# KiCad board Master Timing Card.kicad_pcb (continued)
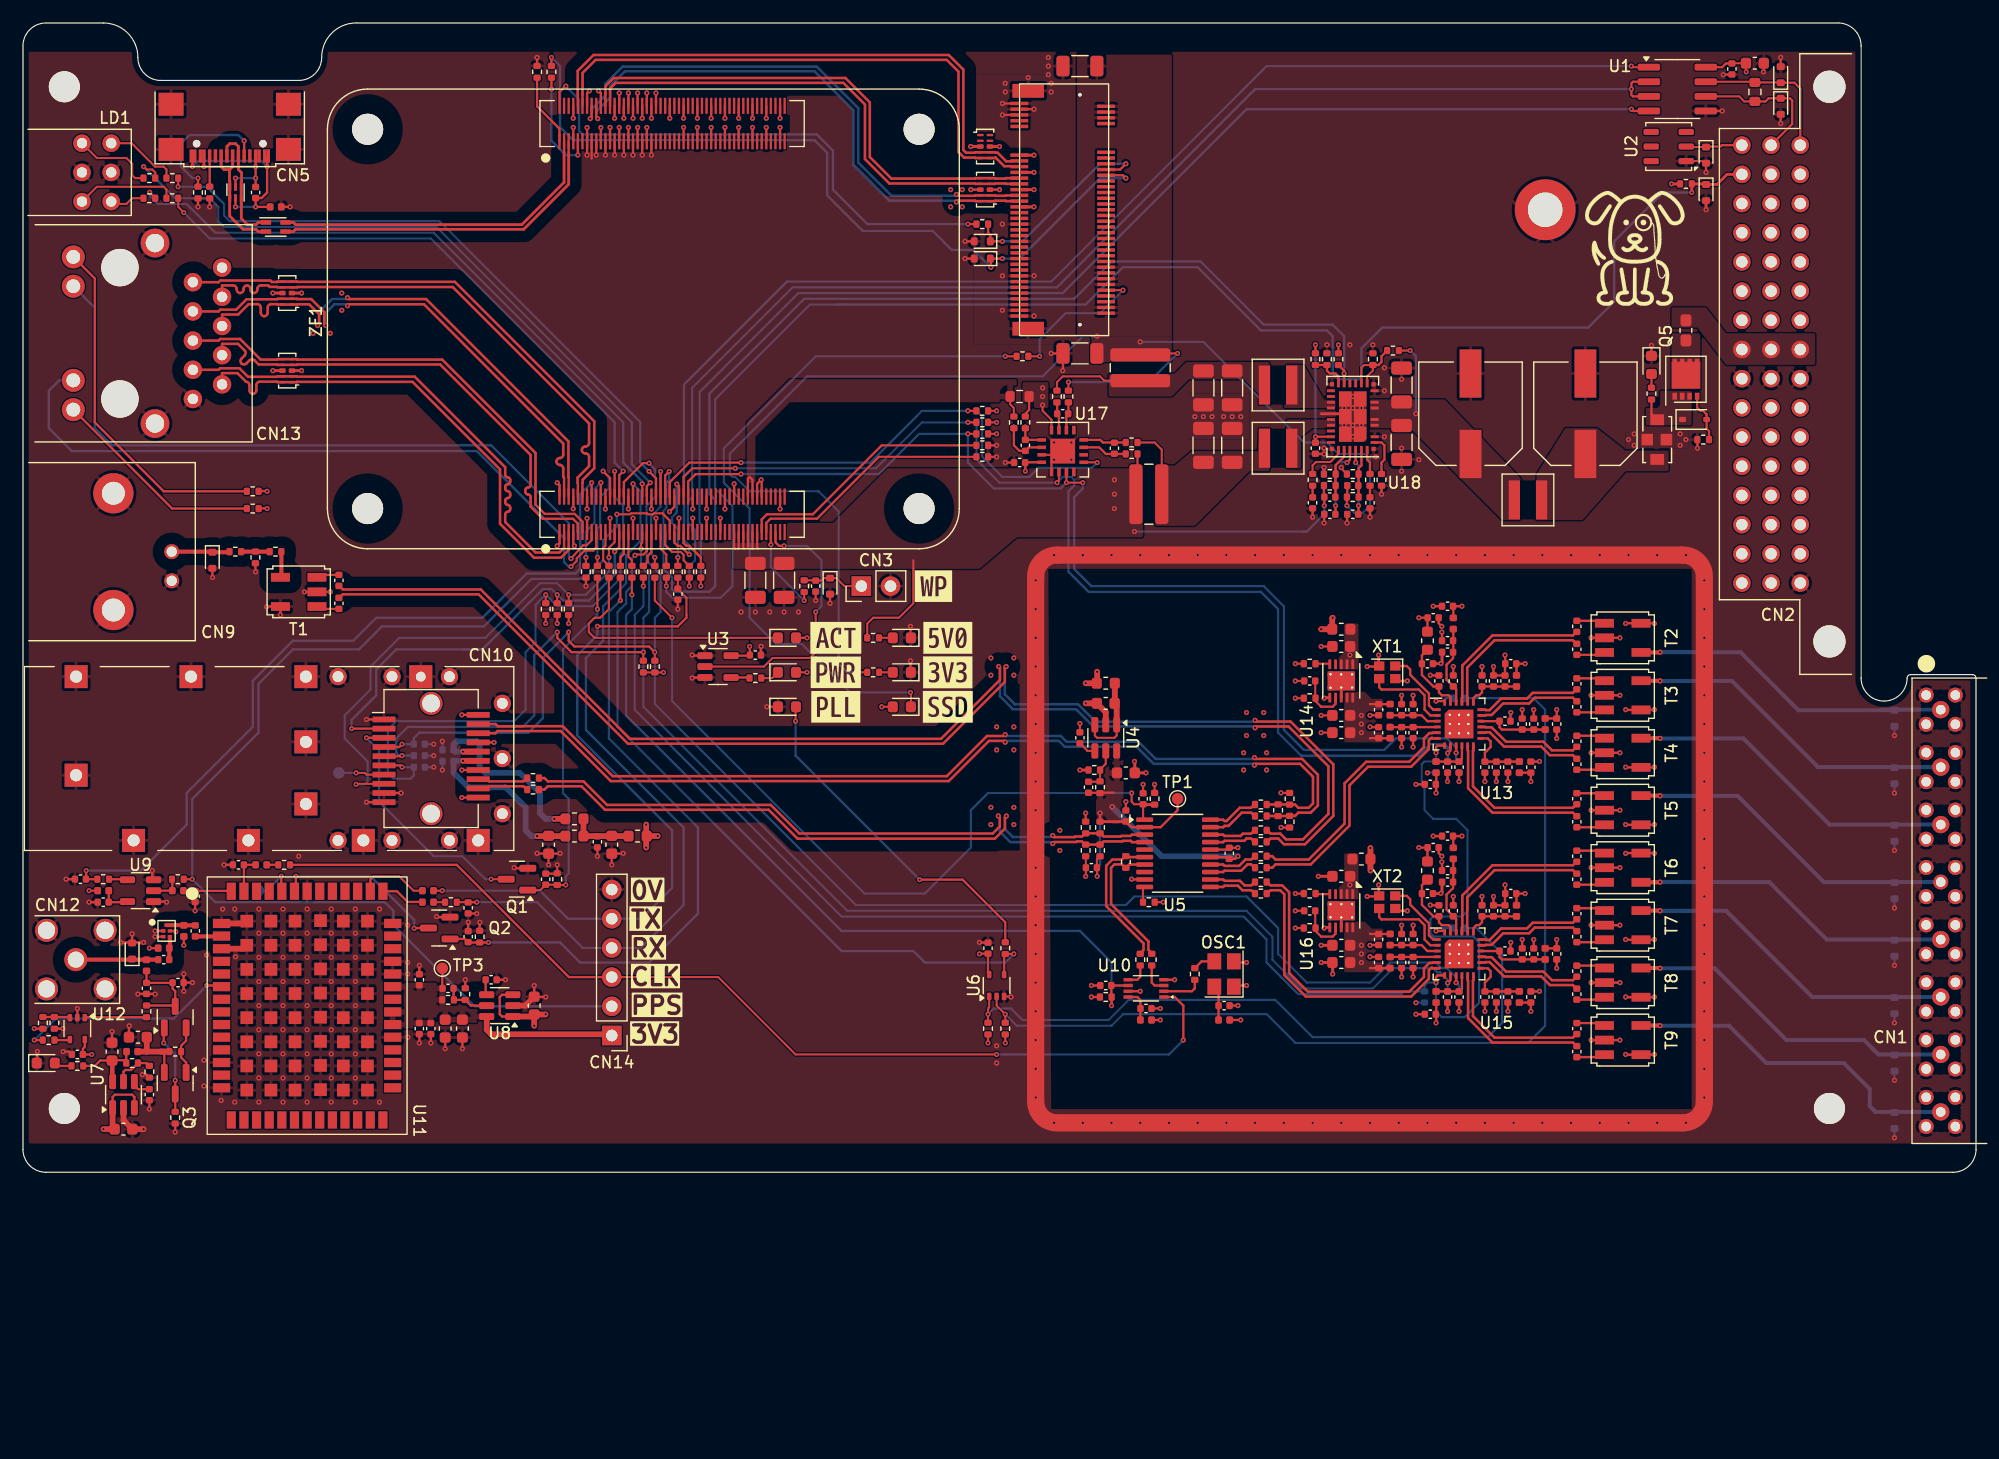
[diagram p0: board, top side]
## Routing (per net, layer and track width the routed paths; a pad name or vN(x,y) marks a point on that pad's centre or on a via; arc(x,y) is an arc through that point) (continued)
/Pi CM4 - HPIO/PCIE_PER0_P: length 49
  Top w0.2: CN6.116 49.5,92.79 49.5,91.8 v1(49.37,91.68)
  Top w0.22: v1(81.25,85.08) 81.36,84.96 82.87,84.96 82.91,85 D17.9 D17.2 84.59,85 84.63,84.96 85.52,84.96 85.56,85 CN7.43
  Bottom w0.22: v1(49.37,91.68) 49.49,91.79 49.49,92.49 50.69,93.69 50.69,94.69 52.21,96.21 69.09,96.21 72.71,92.59 72.71,87.84 75.59,84.96 81.14,84.96 v1(81.25,85.08)
/Pi CM4 - HPIO/PCIE_PET0_N: length 43.8
  Top w0.2: 51.1,93.84 51.1,92.79 CN6.124
  Top w0.22: 51.1,93.84 51.1,94.3 51.59,94.79 71.41,94.79 73.29,92.91 73.29,88.16 75.41,86.04 82.87,86.04 82.91,86 D17.7 D17.4 84.59,86 84.63,86.04 85.52,86.04 85.56,86 CN7.47
/Pi CM4 - HPIO/PCIE_PET0_P: length 44.5
  Top w0.2: 50.7,93.84 50.7,92.79 CN6.122
  Top w0.22: 50.7,93.84 50.7,94.5 51.41,95.21 71.59,95.21 73.71,93.09 73.71,88.34 75.59,86.46 82.87,86.46 82.91,86.5 D17.6 D17.5 84.59,86.5 84.63,86.46 85.52,86.46 85.56,86.5 CN7.49
/Pi CM4 - HPIO/PCIE_REFCLK_N: length 48.7
  Top w0.2: CN6.112 48.7,93.77 48.71,93.78
  Top w0.22: 48.71,93.78 48.71,95.66 49.84,96.79 80.41,96.79 81.43,95.78 81.43,88.78 81.91,88.29 82.87,88.29 82.91,88.25 D14.5 D14.6 84.59,88.25 84.63,88.29 84.66,88.29 85.41,87.54 86.06,87.54
/Pi CM4 - HPIO/PCIE_REFCLK_P: length 49.4
  Top w0.2: CN6.110 48.3,93.76 48.29,93.78
  Top w0.22: 48.29,93.78 48.29,95.83 49.66,97.21 80.59,97.21 81.85,95.95 81.85,88.95 82.09,88.71 82.87,88.71 82.91,88.75 D14.4 D14.7 84.59,88.75 84.63,88.71 84.84,88.71 85.59,87.96 86.06,87.96
/Pi CM4 - HPIO/USB_N: length 10.9
  Top w0.242: CN5.A7 17.75,89.25 18,89.5 18.5,89.5 18.75,89.25 CN5.B7 18.75,87.25 19.03,86.97 19.03,86.25 19,86.22 D13.4 D13.3 19,84.25 19.01,84.24 19.01,82.99 19.55,82.45 20.28,82.45 20.47,82.65 FL1.1
/Pi CM4 - HPIO/USB_P: length 10.8
  Top w0.242: 18,87.25 18.25,87.5 CN5.A6 ; 18,87.25 17.5,87.25 17.25,87.5 CN5.B6 ; 18,87.25 17.97,87.22 17.97,86.28 18,86.25 D13.6 D13.1 17.99,84.77 17.99,83.21 19.15,82.05 20.28,82.05 20.47,81.85 FL1.3
/Pi CM4 - HPIO/~{PCIE_CLK_REQ}: length 45.6
  Top w0.2: v1(47.25,94.5) 47.2,94.5 46.7,94 46.7,93.5 ; R35.1 v1(82.25,82.5)
  Bottom w0.2: v1(82.25,82.5) 73.5,82.5 70.5,85.5 70.5,88.9 69.1,90.3 48.7,90.3 48.41,90.59 48.41,93.34 v1(47.25,94.5)
/Pi CM4 - HPIO/~{PCIE_RST}: length 69
  Top w0.2: D15.1 v1(85.25,79.5) ; v1(84.25,78.75) 84.25,79.45 ; v1(96,86.5) 95.75,86.75 CN7.50 ; R34.2 v1(46,97)
  Bottom w0.2: v1(85.25,79.5) 86.75,79.5 93.75,86.5 v1(96,86.5) ; v1(84.25,78.75) 82.75,80.25 80.85,80.25 79.2,81.9 73.1,81.9 70,85 70,88.7 68.9,89.8 47.9,89.8 46.75,90.95 46.75,96.25 v1(46,97)
/PLL and SFP/CLK_SEL: length 68
  Top w0.18: R19.2 55,49.75 v1(56.5,48.25) ; v1(96.5,33) 96.5,32.25 96.73,32.02 C16.1 97.5,30.81 U5.1
  Top w0.25: R43.1 97.53,31.99
  Bottom w0.18: v1(56.5,48.25) 56.5,41 73.25,24.25 78.5,24.25 82.5,28.25 82.5,31.5 84,33 v1(96.5,33)
/PLL and SFP/CLKA_N: length 4.5
  Top w0.22: 107.19,31 106.9,31.29 106.09,31.29 104.94,30.14 104.58,30.14 104.47,30.03 U5.19
/PLL and SFP/CLKA_P: length 4.5
  Top w0.22: 107.19,32 106.9,31.71 105.91,31.71 104.76,30.56 104.58,30.56 104.47,30.67 U5.20
/PLL and SFP/CLKB_N: length 4.1
  Top w0.22: U5.17 104.47,28.72 104.58,28.84 106.3,28.84 106.5,29.04 106.9,29.04 107.19,28.75
/PLL and SFP/CLKB_P: length 4.1
  Top w0.22: U5.18 104.47,29.38 104.58,29.26 105.98,29.26 106.18,29.46 106.9,29.46 107.19,29.75
/PLL and SFP/CLKC_N: length 4.2
  Top w0.22: U5.13 104.47,26.12 104.58,26.24 106.04,26.24 106.59,26.79 106.9,26.79 107.19,26.5
/PLL and SFP/CLKC_P: length 4.2
  Top w0.22: 107.19,27.5 106.9,27.21 106.41,27.21 105.86,26.66 104.58,26.66 104.47,26.78 U5.14
/PLL and SFP/CLKD_N: length 4.2
  Top w0.22: 107.19,24.25 106.9,24.54 106.15,24.54 105.75,24.94 104.58,24.94 104.47,24.83 U5.11
/PLL and SFP/CLKD_P: length 4.2
  Top w0.22: U5.12 104.47,25.47 104.58,25.36 105.92,25.36 106.32,24.96 106.9,24.96 107.19,25.25
/PLL and SFP/EXT_CLK_N: length 112.3
  Top w0.22: v1(107.25,39.33) 107.36,39.21 110.34,39.21 114.05,35.5 114.05,31 111.59,28.54 109.76,28.54 109.26,29.04 108.6,29.04 108.31,28.75 ; 27.53,49.98 27.84,50.29 39.66,50.29 52.66,37.29 80.09,37.29 85.46,42.66 85.46,43.89 v1(85.58,44)
  Bottom w0.22: v1(107.25,39.33) 107.14,39.21 93.34,39.21 91.84,40.71 86.34,40.71 85.46,41.59 85.46,43.89 v1(85.58,44)
/PLL and SFP/EXT_CLK_P: length 110.9
  Top w0.22: v1(107.25,38.67) 107.36,38.79 110.16,38.79 113.63,35.32 113.63,31.18 111.41,28.96 109.94,28.96 109.44,29.46 108.6,29.46 108.31,29.75 ; v1(84.92,44) 85.04,43.89 85.04,42.84 79.91,37.71 52.84,37.71 39.84,50.71 27.84,50.71 27.53,51.02
  Bottom w0.22: v1(84.92,44) 85.04,43.89 85.04,41.41 86.16,40.29 91.66,40.29 93.16,38.79 107.14,38.79 v1(107.25,38.67)
/PLL and SFP/Frequency Synthesiser 1/RF1_N: length 14.4
  Top w0.22: U13.21 125.25,41.29 125.29,41.33 125.29,44.09 127.91,46.71 134.91,46.71 135.22,47.02
/PLL and SFP/Frequency Synthesiser 1/RF1_P: length 13.7
  Top w0.22: U13.20 125.75,41.29 125.71,41.33 125.71,43.91 128.09,46.29 134.91,46.29 135.22,45.98
/PLL and SFP/Frequency Synthesiser 1/RF2_N: length 9.1
  Top w0.22: U13.17 127.29,39.75 127.33,39.79 127.84,39.79 128.84,40.79 131.09,40.79 131.59,41.29 134.91,41.29 135.22,40.98
/PLL and SFP/Frequency Synthesiser 1/RF2_P: length 9.1
  Top w0.22: U13.18 127.29,40.25 127.33,40.21 127.66,40.21 128.66,41.21 130.91,41.21 131.41,41.71 134.91,41.71 135.22,42.02
/PLL and SFP/Frequency Synthesiser 1/RF3_N: length 9.3
  Top w0.22: U13.14 127.29,38.25 127.33,38.29 127.66,38.29 128.91,37.04 132.16,37.04 132.91,36.29 134.91,36.29 135.22,35.98
/PLL and SFP/Frequency Synthesiser 1/RF3_P: length 9.3
  Top w0.22: U13.15 127.29,38.75 127.33,38.71 127.84,38.71 129.09,37.46 132.34,37.46 133.09,36.71 134.91,36.71 135.22,37.02
/PLL and SFP/Frequency Synthesiser 1/RF4_N: length 14.2
  Top w0.22: 135.22,30.98 134.91,31.29 127.91,31.29 125.79,33.41 125.79,36.67 125.75,36.71 U13.11
/PLL and SFP/Frequency Synthesiser 1/RF4_P: length 13.5
  Top w0.22: U13.12 126.25,36.71 126.21,36.67 126.21,33.59 128.09,31.71 134.91,31.71 135.22,32.02
/PLL and SFP/Frequency Synthesiser 1/~{PLL_LOCK_OD}: length 87
  Top w0.18: R45.2 v1(85.5,13.75) 84.75,14.5 U6.2
  Bottom w0.18: R87.2 131.5,41.25 132.5,40.25 132.5,12.75 131,11.25 110.75,11.25 108.25,13.75 95.75,13.75 94.75,12.75 86.5,12.75 v1(85.5,13.75)
/PLL and SFP/Frequency Synthesiser 2/RF1_N: length 14.4
  Top w0.22: U15.21 125.25,21.29 125.29,21.33 125.29,24.09 127.91,26.71 134.91,26.71 135.22,27.02
/PLL and SFP/Frequency Synthesiser 2/RF1_P: length 13.7
  Top w0.22: U15.20 125.75,21.29 125.71,21.33 125.71,23.91 128.09,26.29 134.91,26.29 135.22,25.98
/PLL and SFP/Frequency Synthesiser 2/RF2_N: length 9.1
  Top w0.22: 135.22,20.98 134.91,21.29 131.59,21.29 131.09,20.79 128.84,20.79 127.84,19.79 127.33,19.79 127.29,19.75 U15.17
/PLL and SFP/Frequency Synthesiser 2/RF2_P: length 9.1
  Top w0.22: U15.18 127.29,20.25 127.33,20.21 127.66,20.21 128.66,21.21 130.91,21.21 131.41,21.71 134.91,21.71 135.22,22.02
/PLL and SFP/Frequency Synthesiser 2/RF3_N: length 9.3
  Top w0.22: U15.14 127.29,18.25 127.33,18.29 127.66,18.29 128.91,17.04 132.16,17.04 132.91,16.29 134.91,16.29 135.22,15.98
/PLL and SFP/Frequency Synthesiser 2/RF3_P: length 9.3
  Top w0.22: U15.15 127.29,18.75 127.33,18.71 127.84,18.71 129.09,17.46 132.34,17.46 133.09,16.71 134.91,16.71 135.22,17.02
/PLL and SFP/Frequency Synthesiser 2/RF4_N: length 14.2
  Top w0.22: U15.11 125.75,16.71 125.79,16.67 125.79,13.41 127.91,11.29 134.91,11.29 135.22,10.98
/PLL and SFP/Frequency Synthesiser 2/RF4_P: length 13.5
  Top w0.22: 135.22,12.02 134.91,11.71 128.09,11.71 126.21,13.59 126.21,16.67 126.25,16.71 U15.12
/PLL and SFP/Frequency Synthesiser 2/~{PLL_LOCK_OD}: length 60.5
  Top w0.18: U6.1 84.1,14.35 84,14.25 v1(84,13.75) R47.2
  Bottom w0.18: v1(84,13.75) 84.5,14.25 86,14.25 87,13.25 94.5,13.25 96.25,15 109,15 112.25,11.75 127.5,11.75 128.75,13 128.75,19 126.5,21.25 R92.2
/PLL and SFP/PLL1_CLK_N: length 22
  Top w0.22: U13.6 122.71,37.75 122.67,37.79 122.59,37.79 122.37,37.57 122.37,36.82 120.84,35.29 117.09,35.29 115.46,33.66 115.46,30.16 112.09,26.79 109.03,26.79 108.74,26.5 R57.2
/PLL and SFP/PLL1_CLK_P: length 22
  Top w0.22: U13.5 122.71,38.25 122.67,38.21 122.41,38.21 121.95,37.75 121.95,37 120.66,35.71 116.91,35.71 115.04,33.84 115.04,30.34 111.91,27.21 109.03,27.21 108.74,27.5 R56.2
/PLL and SFP/PLL1_SCL: length 100.3
  Top w0.18: v1(62,61.25) 58.25,61.25 57.88,60.87 ; U17.6 90.18,60.17 v1(90,60) ; R8.2 v1(82.25,65.25)
  Top w0.2: v1(124.01,36.47) 124.25,36.71 U13.8 ; 57.88,60.87 57.5,60.5 CN4.56
  Bottom w0.18: v1(62,61.25) 74.25,61.25 78.25,65.25 v1(82.25,65.25) 82.75,65.25 83,65 83,62 85,60 v1(90,60) 90.5,60.5 91.25,60.5 91.5,60.25
  Bottom w0.2: 124.01,35.74 v1(124.01,36.47) 124.01,36.99 123.75,37.25 122.5,37.25 121.5,36.25 111.25,36.25 109.25,38.25 109.25,49 107.75,50.5 92.75,50.5 91,52.25 91,59.25 91.5,59.75 91.5,60.25
/PLL and SFP/PLL1_SDA: length 99.3
  Top w0.18: v1(92.25,60) v1(90.82,60) U17.7 ; R7.2 v1(82.25,64.25)
  Top w0.2: v1(124.75,36.5) 124.75,36.5 U13.9 ; v1(62.5,60.75) 62.5,60.75 58.55,60.75 57.9,60.1 CN4.58
  Bottom w0.18: v1(90.82,60) 90.32,59.5 84.5,59.5 82.25,61.75 v1(82.25,64.25) 78,64.25 74.5,60.75
  Bottom w0.2: v1(62.5,60.75) 62.5,60.75 74.5,60.75 74.5,60.75 ; C89.1 124.75,35.98 v1(124.75,36.5) 124.75,36.94 123.94,37.75 119.5,37.75 118.5,36.75 111.5,36.75 109.75,38.5 109.75,49.25 108,51 93,51 91.5,52.5 91.5,58.75 92.25,59.5 v1(92.25,60)
/PLL and SFP/PLL2_CLK_N: length 24.4
  Top w0.22: U15.6 122.71,17.75 122.67,17.79 122.59,17.79 122.37,17.57 122.37,16.82 120.84,15.29 111.66,15.29 109.79,17.16 109.79,24.18 109.43,24.54 108.6,24.54 108.31,24.25
/PLL and SFP/PLL2_CLK_P: length 24.4
  Top w0.22: 108.31,25.25 108.6,24.96 109.61,24.96 110.21,24.36 110.21,17.34 111.84,15.71 120.66,15.71 121.95,17 121.95,17.75 122.41,18.21 122.67,18.21 122.71,18.25 U15.5
/PLL and SFP/PLL2_SCL: length 134.6
  Top w0.18: CN4.37 53.9,54.8 53.8,54.7 v1(53.8,54.25) ; R11.2 v1(54,45.25)
  Top w0.2: 31.42,36.2 32.95,36.2 v1(33,36.25) ; U15.8 124.25,16.71 v1(124.01,16.47) ; v1(54,45.25) 47.75,45.25 46.5,46.5 v1(46.5,47)
  Bottom w0.18: C130.1 124,16.46 v1(124.01,16.47) 124,16.48 124,16.75 123.36,17.39 123.11,17.39 122.75,17.75 119.25,17.75 117.5,16 111.25,16 108.75,18.5 108.75,20.5 106.5,22.75 71.75,22.75 54,40.5 54,48.25 54.5,48.75 54.5,52 53.8,52.7 v1(53.8,54.25)
  Bottom w0.2: C26.1 v1(33,36.25) 32.75,36.25 32.5,36.5 32.5,37.75 33.5,38.75 43.5,38.75 44.5,39.75 44.5,45 v1(46.5,47)
/PLL and SFP/PLL2_SDA: length 144.3
  Top w0.18: R10.2 v1(55,45.25)
  Top w0.2: v1(124.75,16.5) 124.75,16.5 U15.9 ; v1(47.5,47) 47.5,46.25 48,45.75 54.5,45.75 v1(55,45.25) ; v1(33,37.25) 32.75,37 31.42,37 ; v1(54.5,61.7) 53.95,61.7 52.3,60.05 CN4.30
  Bottom w0.18: v1(54.5,61.7) 54.5,61.67 55,61.17 55,60.5 55.08,60.42 55.08,58.78 54.27,57.97 54.27,53.23 55.5,52 55.5,48.75 55,48.25 55,40.75 72.5,23.25 96,23.25 96.75,24 106.5,24 109.25,21.25 109.25,19 111.75,16.5 117.25,16.5 119,18.25 123,18.25 123.5,17.75 123.95,17.75 124.75,16.95 v1(124.75,16.5) 125,16.25 C132.1
  Bottom w0.2: v1(33,37.25) C25.1 34.02,37.77 34.5,38.25 44,38.25 45.25,39.5 45.25,44.75 v1(47.5,47)
/PLL and SFP/PLL_LOCK: length 64.1
  Top w0.18: v1(53.28,53.68) 53.34,53.75 54,53.75 54.3,54.05 CN4.39
  Top w0.2: v1(86.25,19) 86.24,18.99 R48.2 ; U6.4 85.4,18.89
  Bottom w0.2: v1(53.28,53.68) 53,53.41 53,51 52.5,50.5 52.5,49.5 51.75,48.75 51.75,38.75 71.25,19.25 77.5,19.25 78.5,18.25 85.5,18.25 v1(86.25,19)
/PLL and SFP/PLL_OE: length 135.6
  Top w0.18: R21.2 v1(54,51)
  Top w0.2: U15.7 123.12,17.12 123,17 v1(123,16.5) ; U13.7 123.12,37.12 123,37 v1(123,36.5)
  Bottom w0.18: v1(123,36.5) C84.1 121.98,35.73 121.75,35.5 121.75,34 122,33.75 122,31.5 122.75,30.75 124.75,30.75 125.75,29.75 125.75,22.75 125.25,22.25 122.75,22.25 122.5,22 122.5,20.8 122.8,20.5 126.25,20.5 126.75,20 126.75,14.75 125.5,13.5 123.5,13.5 123,14 v1(123,16.5) 122.25,16.5 122,16.25 C127.1 120.23,15.73 120,15.5 111,15.5 108.25,18.25 108.25,20.25 106.25,22.25 71.25,22.25 53.25,40.25 53.25,48.5 54,49.25 v1(54,51)
/PLL and SFP/REFCLK_R_N: length 3.7
  Top w0.22: 43.84,34.3 43.55,34.01 40.56,34.01 40.38,34.2
/PLL and SFP/REFCLK_R_P: length 3.7
  Top w0.22: 40.38,33.4 40.56,33.59 43.55,33.59 43.84,33.3
/PLL and SFP/SFP_LOS_OD: length 44.7
  Top w0.18: CN4.25 51.5,54.83 51,54.33 v1(51,53.5) ; R26.2 v1(47.5,50.25) ; 31.42,33.8 29.05,33.8 v1(29,33.75)
  Bottom w0.18: v1(29,33.75) 29.75,33.75 30,34 30,35.75 28,37.75 28,39.75 30.25,42 30.25,44 32.75,46.5 40.25,46.5 45,51.25 46.5,51.25 v1(47.5,50.25) 49,50.25 51,52.25 v1(51,53.5)
/PLL and SFP/SFP_REFCLK_N: length 58.1
  Top w0.22: v1(84.9,31) 85.02,30.88 85.02,30.09 84.41,29.47 67.57,29.47 65.09,31.96 50.84,31.96 48.79,34.01 45.68,34.01 45.39,34.3 R65.1 ; v1(89.63,28.6) 89.77,28.74 91.7,28.74 91.75,28.79 92.17,28.79 92.45,28.51 ; R39.1 R40.2 ; 93.8,28.51 94.08,28.79 95.7,28.79 95.75,28.84 96.42,28.84 96.53,28.72 U5.4
  Bottom w0.22: v1(84.9,31) 85.02,30.88 85.02,29.66 85.96,28.72 89.51,28.72 v1(89.63,28.6)
/PLL and SFP/SFP_REFCLK_P: length 58.1
  Top w0.22: R64.1 45.39,33.3 45.68,33.59 48.61,33.59 50.66,31.54 64.91,31.54 67.43,29.03 84.59,29.03 85.48,29.91 85.48,30.88 v1(85.6,31) ; v1(89.63,29.3) 89.77,29.16 91.54,29.16 91.59,29.21 92.17,29.21 92.45,29.49 ; U5.3 96.53,29.38 96.42,29.26 95.59,29.26 95.54,29.21 94.08,29.21 93.8,29.49 ; R37.1 R38.2
  Bottom w0.22: v1(89.63,29.3) 89.51,29.17 86.15,29.17 85.48,29.84 85.48,30.88 v1(85.6,31)
/PLL and SFP/SFP_TX_DISABLE: length 31.8
  Top w0.18: v1(47.25,25) 47.24,24.99 R60.1 ; 46.47,25.02 C22.1 45.03,24.55 Q1.1 ; R22.2 v1(50,49)
  Bottom w0.18: v1(50,49) 50,48.5 47,45.5 47,33 47.5,32.5 47.5,26 47.25,25.75 v1(47.25,25)
/PLL and SFP/SFP_TX_FAULT_OD: length 40.2
  Top w0.18: R17.2 v1(46.5,50.25)
  Top w0.2: v1(51.5,54) 51.9,54.4 CN4.27 ; 31.42,38.6 v1(28.6,38.6)
  Bottom w0.18: v1(46.5,50.25) 46,50.75 45.25,50.75 44.25,49.75
  Bottom w0.2: 40,45.5 44.25,49.75 ; 40,45.5 38.25,45.5 ; 40,45.5 38.25,45.5 ; 38.25,45.5 32.5,45.5 30.75,43.75 30.75,41.5 28.6,39.35 v1(28.6,38.6) ; v1(46.5,50.25) 47,49.75 49.25,49.75 51.5,52 v1(51.5,54)
/PLL and SFP/SFP_TX_N: length 85.5
  Top w0.22: v1(85.49,38.08) 85.38,37.96 83.91,37.96 80.41,34.46 51.34,34.46 46.99,38.81 41.31,38.81 41.13,39 CN11.19 ; v1(107.19,36.08) 107.31,35.96 111.34,35.96 112.71,34.59 112.71,31.91 112.09,31.29 111.01,31.29 110.73,31.01 R53.1 ; R50.2 110.24,31
  Bottom w0.22: v1(85.49,38.08) 85.61,37.96 90.34,37.96 90.84,37.46 97.09,37.46 98.59,35.96 107.08,35.96 v1(107.19,36.08)
/PLL and SFP/SFP_TX_P: length 84.1
  Top w0.22: v1(85.49,37.42) 85.38,37.54 84.09,37.54 80.59,34.04 51.16,34.04 46.81,38.39 41.31,38.39 41.13,38.2 CN11.18 ; v1(107.19,35.42) 107.31,35.54 111.16,35.54 112.29,34.41 112.29,32.09 111.91,31.71 111.01,31.71 110.73,31.99 R52.2 ; R49.2 110.24,32
  Bottom w0.22: v1(107.19,35.42) 107.08,35.54 98.41,35.54 96.91,37.04 90.66,37.04 90.16,37.54 85.61,37.54 v1(85.49,37.42)
/PLL and SFP/~{SFP_PRESENT}: length 53.8
  Top w0.18: R25.2 v1(45.5,50.25)
  Top w0.2: 31.42,35.4 32.85,35.4 v1(33,35.25) ; CN4.26 v1(51.5,61)
  Bottom w0.18: v1(33,35.25) C29.1 34.02,34.52 33.75,34.25 32.25,34.25 31.75,34.75 31.75,38.5 32.5,39.25 42.75,39.25 43.75,40.25 43.75,45.25 44.62,46.12 44.62,49.38 v1(45.5,50.25) 46.5,49.25 49.58,49.25 52,51.67 52,53.75 52.25,54 52.25,58 51.5,58.75 v1(51.5,61)
/Power Supplies/PCIE_SENSE_N: length 2.2
  Top w0.2: U17.14 90.82,65.84 ; R117.2 91,66.02
/Power Supplies/PCIE_SENSE_P: length 2.3
  Top w0.2: C162.1 90.02,66.73 90,66.75 R116.2 ; U17.15 90.18,65.84
/RF1: length 29
  Top w0.349: T2.6 142.48,45.23 v1(142.5,45.25)
  Bottom w0.349: 166.63,40.25 161.75,40.25 ; v1(142.5,45.25) 149.5,45.25 154.55,40.2 D1.1
/RF2: length 28.9
  Top w0.349: T3.4 142.48,42.77 v1(142.5,42.75)
  Bottom w0.349: v1(142.5,42.75) 148.75,42.75 156.25,35.25 166.63,35.25
/RF3: length 28.9
  Top w0.349: T4.4 142.48,37.77 v1(142.5,37.75)
  Bottom w0.349: v1(142.5,37.75) 149.75,37.75 157.25,30.25 166.63,30.25
/RF4: length 28.9
  Top w0.349: v1(142.5,32.75) 142.48,32.77 T5.4
  Bottom w0.349: v1(142.5,32.75) 149.25,32.75 156.75,25.25 166.63,25.25
/RF5: length 27.9
  Top w0.349: v1(142.5,25.25) 142.48,25.23 T6.6
  Bottom w0.349: 166.63,20.25 157,20.25 152,25.25 v1(142.5,25.25)
/RF6: length 28.9
  Top w0.349: v1(142.5,22.75) 142.48,22.77 T7.4
  Bottom w0.349: 166.63,15.25 155.75,15.25 148.25,22.75 v1(142.5,22.75)
/RF7: length 29.6
  Top w0.349: T8.4 142.48,17.77 v1(142.5,17.75)
  Bottom w0.25: 161.5,10.25 161.25,10.5
  Bottom w0.349: 161,10.75 161.25,10.5 ; 161,10.75 161.5,10.25 166.63,10.25 ; 161,10.75 160.25,11.5 153.5,11.5 147.25,17.75 v1(142.5,17.75)
/RF8: length 29.8
  Top w0.349: T9.4 142.48,12.77 v1(142.5,12.75)
  Bottom w0.349: v1(142.5,12.75) 148.5,12.75 151.75,9.5 158.5,9.5 160.75,7.25 160.75,5.75 161.25,5.25 166.63,5.25
/RS485_A: length 12.5
  Top w0.18: R5.2 149.82,93.17 149.38,93.61 U1.6
  Top w0.2: CN2.b1 154,91.21 154,93.25 153.8,93.45 D9.1 151.95,93.45 151.68,93.17 R5.2
/RS485_B: length 13.4
  Top w0.18: D10.1 152.97,94.83 R5.1 150.69,94.89 U1.7
  Top w0.2: CN2.a1 154.7,94.3 154.2,94.8 D10.1
/RS485_RX: length 113.1
  Top w0.18: U1.1 140.09,96.16 v1(140,96.25)
  Top w0.2: CN4.51 56.7,54.8 57,54.5 57.22,54.5 57.97,53.75 v1(58,53.75)
  Bottom w0.18: 66.5,77.5 89.5,77.5 108.25,96.25 v1(140,96.25)
  Bottom w0.2: 66.5,77.5 57.53,68.53 57.53,55 58,54.53 v1(58,53.75)
/RS485_TX: length 110.6
  Top w0.18: R13.2 v1(59,51)
  Top w0.2: v1(140,92.5) 140.16,92.34 U1.4
  Bottom w0.18: v1(59,51) 59,56.4 58.9,56.5 58.9,67.9 67.5,76.5
  Bottom w0.2: 67.5,76.5 90.5,76.5 106.5,92.5 v1(140,92.5)
/RS485_~{R}/W: length 115.3
  Top w0.18: R20.2 v1(58,51)
  Top w0.2: U1.3 140.13,93.61 140,93.75 v1(140,94.25) 140,94.75 140.13,94.89 U1.2
  Bottom w0.18: v1(58,51) 58,52.75 58.5,53.25 58.5,55.9 57.88,56.53 57.88,58.38 58.25,58.75 58.25,68.25 67,77
  Bottom w0.2: v1(140,94.25) 107.25,94.25 90,77 67,77
Net-(C8-Pad1): length 10.6
  Top w0.2: CN5.B4 v1(15.75,87.5) ; D13.5 v1(18.5,86.5) ; CN5.B9 v1(20.25,86.5) C8.1
  Bottom w0.2: v1(18.5,86.5) v1(20.25,86.5) ; v1(15.75,87.5) v1(20.25,87.5)
Net-(C8-Pad2): length 16.9
  Top w0.2: v1(14.75,87.5) 14.75,88.33 CN5.A12 ; CN5.A1 21.25,88.33 v1(21.25,87.5) 21.25,85.25 20.77,84.77 C8.2 v1(20.25,84) FB1.2 ; D13.2 v1(18.5,84)
  Bottom w0.2: v1(21.25,87.5) 20.74,88 15.51,88 15.5,88 15.25,88 v1(14.75,87.5) ; v1(20.25,84) v1(18.5,84)
Net-(C20-Pad2): length 1.7
  Top w0.18: C20.2 25.8,51.98
Net-(C21-Pad2): length 1.7
  Top w0.18: C21.2 25.8,49.02
Net-(C23-Pad1): length 5.4
  Top w0.5: FB3.2 L2.1 L1.1
Net-(C93-Pad2): length 2.2
  Top w0.2: C93.2 137.45,45.02
Net-(C94-Pad2): length 2.2
  Top w0.2: C94.2 137.45,47.98
Net-(C95-Pad2): length 2.2
  Top w0.2: C95.2 137.45,42.98
Net-(C96-Pad2): length 2.2
  Top w0.2: C96.2 137.45,40.02
Net-(C97-Pad2): length 2.2
  Top w0.2: C97.2 137.45,37.98
Net-(C98-Pad2): length 2.2
  Top w0.2: C98.2 137.45,35.02
Net-(C99-Pad2): length 2.2
  Top w0.2: C99.2 137.45,32.98
Net-(C100-Pad2): length 2.2
  Top w0.2: C100.2 137.45,30.02
Net-(C136-Pad2): length 2.2
  Top w0.2: C136.2 137.45,25.02
Net-(C137-Pad2): length 2.2
  Top w0.2: C137.2 137.45,27.98
Net-(C138-Pad2): length 2.2
  Top w0.2: C138.2 137.45,22.98
Net-(C139-Pad2): length 2.2
  Top w0.2: C139.2 137.45,20.02
Net-(C140-Pad2): length 2.2
  Top w0.2: C140.2 137.45,17.98
Net-(C141-Pad2): length 2.2
  Top w0.2: C141.2 137.45,15.02
Net-(C142-Pad2): length 2.2
  Top w0.2: C142.2 137.45,12.98
Net-(C143-Pad2): length 2.2
  Top w0.2: C143.2 137.45,10.02
Net-(C152-Pad1): length 1
  Top w0.2: R101.1 C152.1
Net-(C153-Pad1): length 1
  Top w0.2: C153.1 R102.1
Net-(CN3-Pin_1): length 5.3
  Top w0.18: R16.2 68.97,51.51 ; CN3.1 71.5,51 70.8,51.7 D12.1 69.7,51.7 69.48,51.48 C6.1
Net-(CN4A-BT_nDisable): length 21.5
  Top w0.18: R15.2 74.5,62.25
  Top w0.2: CN4.91 64.7,56.5 65.07,56.87 69.12,56.87 74.5,62.25
Net-(CN4A-EEPROM_nWP): length 9
  Top w0.18: R24.1 v1(49,53.5)
  Top w0.2: CN4.20 v1(50.3,60)
  Bottom w0.18: v1(50.3,60) 49.75,59.45 49.75,56.5 49,55.75 v1(49,53.5)
Net-(CN4A-nPI_LED_PWR): length 23.9
  Top w0.18: v1(69,48.75) 69,45.25 68.5,44.75 65.25,44.75 64.5,44 U3.2
  Top w0.2: CN4.95 65.5,54.81 65.81,54.5 v1(66.25,54.5)
  Bottom w0.18: v1(69,48.75) 69.5,49.25 69.5,53.25 68.25,54.5 v1(66.25,54.5)
Net-(CN4A-nRPIBOOT): length 7.9
  Top w0.18: R16.1 v1(68,49.75)
  Top w0.2: CN4.93 v1(65.1,54.6)
  Bottom w0.18: v1(68,49.75) 65.1,52.65 v1(65.1,54.6)
Net-(CN4A-PI_nLED_Activity): length 3.2
  Top w0.18: R27.2 50.5,53.26 50.5,54.31 50.7,54.51 CN4.21
Net-(CN4A-WiFi_nDisable): length 22.5
  Top w0.18: R14.2 74.75,63.25
  Top w0.2: CN4.89 64.3,56.8 64.75,57.25 68.75,57.25 74.75,63.25
Net-(CN4D-GPIO4): length 8.6
  Top w0.18: R9.1 v1(57,53.5)
  Top w0.2: CN4.54 57.1,59.68 v1(56.91,59.87)
  Bottom w0.18: v1(57,53.5) 57,56 56.5,56.5 56.5,57 56.75,57.25
  Bottom w0.2: v1(56.91,59.87) 56.91,57.41 56.75,57.25
Net-(CN4D-GPIO12): length 3.1
  Top w0.18: R12.2 53,53.25 52.7,53.55 CN4.31
Net-(CN4D-GPIO14): length 4.8
  Top w0.18: 58.25,54.25 59,53.5 R13.1
  Top w0.2: 59,53.5 58,54.5 57.75,54.5 57.5,54.75 CN4.55
Net-(CN4D-GPIO16): length 3.1
  Top w0.2: R18.1 52,53.5 52.3,53.8 CN4.29
Net-(CN4D-GPIO22): length 10.9
  Top w0.18: R19.1 v1(55,53.5)
  Top w0.2: 55.5,58.77 v1(55.5,60.98)
  Bottom w0.18: v1(55,53.5) 54.67,53.83 54.67,57.09 54.87,57.28 54.88,57.28 55.5,57.91 v1(55.5,60.98)
Net-(CN4D-GPIO23): length 4.3
  Top w0.18: 56.5,53.97 57.25,53.97 57.5,53.72 57.5,53.25 57.99,52.76
  Top w0.2: CN4.47 55.9,54.58 56.5,53.97
Net-(CN4D-GPIO24): length 3.2
  Top w0.18: CN4.45 55.5,54.25 56,53.75 R23.1
Net-(CN4D-GPIO25): length 3.2
  Top w0.2: CN4.41 54.7,53.95 54.38,53.62 54.38,53.12 54.01,52.76
Net-(CN4D-GPIO26): length 11.3
  Top w0.18: R22.1 v1(50,53.5)
  Top w0.2: CN4.24 51.1,60.4 v1(50.5,61)
  Bottom w0.18: v1(50,53.5) 50,56 50.25,56.25 50.25,58.75 51,59.5 51,60.5 v1(50.5,61)
Net-(CN5-CC1): length 12
  Top w0.2: CN5.A5 v1(19.25,89.75) ; R31.1 v1(15.23,86.5)
  Bottom w0.2: v1(15.23,86.5) 14.75,86.5 13.75,87.5 13.75,89.5 14.5,90.25 18.75,90.25 v1(19.25,89.75)
Net-(CN5-CC2): length 2.7
  Top w0.2: 16.26,88.42 16.26,85.77
Net-(CN6A-PCIe_nRST): length 9.5
  Top w0.2: v1(46,94.25) R34.1 ; CN6.109 v1(48.3,88.51)
  Bottom w0.2: v1(46,94.25) 46,89.75 47.25,88.5 48.29,88.5 v1(48.3,88.51)
Net-(CN6A-USB_OTG_ID): length 6.3
  Top w0.2: CN6.101 46.7,90.8 44.75,92.75 R33.2
Net-(CN7-~{CLKREQ}): length 18.1
  Top w0.2: CN7.52 95.5,87.25 v1(96,87.75) ; R35.2 84.01,81.76 84,81.75 84.2,81.55 D16.1 v1(85.25,81)
  Bottom w0.2: v1(85.25,81) 87,81 93.75,87.75 v1(96,87.75)
Net-(CN7-~{LED1}): length 13
  Top w0.18: R36.2 v1(88.5,71) ; CN7.10 v1(95.75,76.75)
  Bottom w0.18: v1(88.5,71) 88.5,72.5 90.75,74.75 93.75,74.75 v1(95.75,76.75)
Net-(CN9-In): length 4.9
  Top w0.349: D18.1 17.92,53.95 ; CN9.1 16.43,54
Net-(CN11-RATE_SELECT): length 4
  Top w0.18: v1(29,34.75) 29.75,34.75 29.9,34.6 31.42,34.6
  Bottom w0.18: TP2.1 v1(29,34.75)
Net-(CN11-TX_DISABLE): length 21.4
  Top w0.18: Q1.3 v1(40.75,25.5)
  Top w0.2: 31.42,37.8 v1(29.9,37.8)
  Bottom w0.18: v1(29.9,37.8) 31,36.7 31,32.25 35.75,27.5 38.25,27.5 40.25,25.5 v1(40.75,25.5)
Net-(CN11-VccR): length 16.2
  Top w0.5: v1(44.75,29.25) 45.72,29.25 ; L2.2 45.78,29.25 ; v1(38.3,35.8) CN11.15
  Bottom w0.5: v1(44.75,29.25) 44.25,29.25 43.75,29.75 43.75,31.75 42,33.5 38.75,33.5 37.48,34.77 C30.1 ; v1(38.3,35.8) 37.53,35.8
Net-(CN11-VccT): length 17.5
  Top w0.5: L1.2 v1(46.25,30.75) ; v1(38.3,36.6) CN11.16
  Bottom w0.5: v1(46.25,30.75) 45.5,30.75 45,31.25 45,33 43.25,34.75 40.25,34.75 39.75,35.25 39.75,37.25 39.5,37.5 37.75,37.5 37.48,37.23 C27.1 37.63,36.6 v1(38.3,36.6)
Net-(CN12-In): length 7.2
  Top w0.349: CN12.1 C57.2
Net-(CN13-PadL1): length 30.9
  Top w0.2: CN13.L1 6.25,77.78 6.25,65.25 12.25,59.25 R89.2
Net-(CN13-PadL3): length 18.7
  Top w0.2: CN13.L3 12.98,57.75 R90.2
Net-(D6-K): length 5.1
  Top w0.18: D6.1 144.82,89.2
  Top w0.2: CN2.c1 147.87,89.37 147.75,89.25 146.28,89.25
Net-(FB5-Pad1): length 2.6
  Top w0.2: 13,25.47 FB5.1 U9.2
Net-(FB7-Pad1): length 1
  Top w0.2: FB7.1 R75.2
Net-(FB10-Pad1): length 1
  Top w0.18: FB10.1 R77.1
Net-(FL2-IN): length 2.5
  Top w0.349: L3.1 14.99,21.48 ; 13.98,21.5 12.5,21.5
Net-(FL2-OUT): length 1.9
  Top w0.349: 12.79,19.55 12.79,20.48 ; L4.1 12.73,18.5
Net-(LD1-Pad1): length 6.5
  Top w0.18: R1.2 12.49,87.26 12.25,87.5 11.5,87.5 9.46,89.54 LD1.1
Net-(LD1-Pad3): length 2.8
  Top w0.18: 7.89,84.25 9,84.25 9.5,84.75 R2.2
Net-(LD1-Pad4): length 7.2
  Top w0.18: LD1.4 6.43,88.25 9,88.25 9.5,87.75 9.5,86.75 9.75,86.5 R3.2
Net-(LD1-Pad6): length 8.7
  Top w0.18: R4.2 12.49,85.51 12.25,85.75 6.43,85.75 LD1.6
Net-(LD2-K): length 1.7
  Top w0.18: R6.1 65.21,43 LD2.1
Net-(LD3-K): length 22.4
  Top w0.18: LD3.1 49.75,46.5 49.25,47 49.25,47.75 49.75,48.25 50.25,48.25 51,49 R27.1
Net-(LD4-K): length 62.4
  Top w0.18: v1(85.5,71) R36.1 ; v1(77.25,41.75) 77.29,41.71 LD4.1
  Bottom w0.18: v1(77.25,41.75) 72,41.75 67.78,45.97 65.53,45.97 63.25,48.25 63.25,57.75 61,60 61,62.98 69.02,71 v1(85.5,71)
Net-(LD5-A): length 30.3
  Top w0.18: LD5.2 67.25,40.46 v1(67.25,39.25)
  Top w0.2: v1(78.04,25.46) 81.79,25.46 85.5,21.75 R48.1
  Bottom w0.2: v1(78.04,25.46) 67.25,36.25 v1(67.25,39.25)
Net-(LD6-A): length 1.2
  Top w0.2: R76.2 3.02,9.25
Net-(LD7-A): length 1.2
  Top w0.2: R95.2 LD7.2
Net-(LD8-A): length 1.2
  Top w0.18: R112.2 LD8.2
Net-(LD9-A): length 1.2
  Top w0.18: R113.2 LD9.2
Net-(OSC1-OUT): length 1.9
  Top w0.2: OSC1.3 102.59,18.35 R79.2
Net-(OSC1-VCC): length 2.5
  Top w0.2: FB8.1 104.06,15.78
Net-(Q2-D): length 15
  Top w0.2: Q2.3 34.07,21.25 v1(34.05,21.23) ; v1(23.75,25.75) 23.75,24.57
  Bottom w0.2: v1(23.75,25.75) 30.25,25.75 34.05,21.95 v1(34.05,21.23)
Net-(Q3-B): length 4.2
  Top w0.2: Q3.1 14.2,9.55 13.76,9.99 R81.2 13.76,11.01 14.2,11.45 Q4.2
Net-(Q3-C): length 7.7
  Top w0.2: R80.1 Q3.3 v1(13.25,8) ; v1(12.25,11.25) 12.25,12.51
  Bottom w0.2: v1(13.25,8) 13.25,10.25 v1(12.25,11.25)
Net-(Q3-E): length 6.5
  Top w0.2: 12.3,8.44 12.3,10.46 12.34,10.5 12.31,10.53
  Top w0.5: 12,10.5 12.34,10.5 ; 12,10.5 R81.1 ; 12,10.5 10.75,10.5 ; 10.75,10.5 10.77,10.53 C49.1 ; 10.75,10.5 FB9.1
Net-(Q4-C): length 7.6
  Top w0.2: Q4.3 13.25,15.75 13.02,15.98 C53.1 ; 11,14.51 13.18,14.51 ; L5.1 C54.1 13,16.48
Net-(R6-Pad2): length 1.4
  Top w0.2: U3.4 63.04,43.05
Net-(R61-Pad1): length 2.1
  Top w0.349: R61.1 22.49,51.85
Net-(R61-Pad2): length 2.5
  Top w0.349: R63.1 R61.2
Net-(R66-Pad2): length 1.6
  Top w0.2: R66.2 9.05,25.5
Net-(R85-Pad1): length 1.3
  Top w0.2: R85.1 4.03,11.5
Net-(U4-EN): length 7.4
  Top w0.18: U4.1 95.2,38 95,37.8 93.5,37.8 93.3,38 U4.3
  Top w0.5: U4.1 95.2,40.62 ; FB2.2 95.04,40.81
Net-(U4-FB): length 3.8
  Top w0.18: 93.76,35.05 94.25,35.54 U4.5 ; 93.75,34.06 93.75,35.04 ; C14.2 93.72,33.98
Net-(U4-NR): length 1.6
  Top w0.18: U4.4 92.66,36.66 C12.1
Net-(U5-IREF): length 1.4
  Top w0.18: U5.10 97.49,24.68 R46.1
Net-(U7-FB): length 3.5
  Top w0.2: R71.1 10.76,9.5 R70.2 9.41,8.9 8.9,8.9 8.75,8.75 U7.5
Net-(U7-NR): length 1.4
  Top w0.2: C34.1 10.02,7.23 9.7,7.55
Net-(U7-OUT): length 6.7
  Top w0.2: R76.1 6.25,9.25 6.73,9.72 C41.1 ; 8.99,9.75 7.77,9.75 ; R70.1 8.99,10.47
  Top w0.4: 7.77,9.75 7.77,7.91
Net-(U8-FB): length 4
  Top w0.2: R72.2 38.49,15 ; U8.5 38.99,14.5 R73.1 ; C40.2 37.48,15.03
Net-(U8-NR): length 1.2
  Top w0.2: C35.1 40.27,15.54
Net-(U9-+): length 2.6
  Top w0.2: FB6.1 7.47,23.5 ; C37.1 9.05,23.5
Net-(U10-B): length 3.5
  Top w0.2: R79.1 102,16 101.75,15.75 U10.2
Net-(U10-VCC): length 2.9
  Top w0.2: U10.8 97,15.25 97.26,14.98 FB4.1
Net-(U10-Y): length 2.1
  Top w0.2: R67.2 97.25,17 97,16.75 U10.5
Net-(U10-~{Y}): length 2.6
  Top w0.2: U10.3 98.5,16.25 98.25,16.5 R68.2
Net-(U11-RF_IN): length 2.3
  Top w0.349: C55.2 17.25,20.52
Net-(U11-RXD/SPI_MOSI): length 6.2
  Top w0.18: FB11.2 34,24.5 32.75,25.75 30.48,25.75 30.23,25.5
  Top w0.2: U11.43 30.23,25.5
Net-(U11-TXD/SPI_MISO): length 3.8
  Top w0.2: 34.73,23.52 33.48,23.52 32.55,24.45 U11.42
Net-(U11-~{SAFEBOOT}): length 3.8
  Top w0.2: v1(22.48,25.75) 22.48,24.5
  Bottom w0.18: TP4.1 21.23,24.5 v1(22.48,25.75)
Net-(U12-+): length 5.3
  Top w0.2: R84.2 5.42,13.49
Net-(U12--): length 2.3
  Top w0.2: R82.2 4.02,13.51
Net-(U13-LOCK): length 2.2
  Top w0.2: v1(123,41) 123.62,41
  Bottom w0.18: v1(123,41) 123.6,41 123.85,41.25 R87.1
Net-(U13-XIN/REF): length 6.1
  Top w0.2: U13.1 122.75,40.25 122.38,40.62 122.38,41.66 120.75,43.29 120.75,43.75 120.45,44.05 XT1.1
Net-(U13-XOUT): length 7.6
  Top w0.2: XT1.3 118.05,42.2 118.25,42 118.25,42 121.5,42 122,41.5 122,40.25 122.5,39.75 U13.2
Net-(U14-ILIM): length 1.3
  Top w0.18: U14.5 113.7,44.25 R86.1
Net-(U14-SET): length 4.4
  Top w0.18: C90.1 112.48,41.02 113,40.5
  Top w0.2: U14.7 114.25,40.75 114,40.5 113,40.5 113,40.5
Net-(U15-LOCK): length 2.2
  Top w0.2: v1(123,21) 123.62,21
  Bottom w0.18: R92.1 123.7,21.25 123.45,21 v1(123,21)
Net-(U15-XIN/REF): length 6.1
  Top w0.2: U15.1 122.75,20.25 122.38,20.62 122.38,21.66 120.75,23.29 120.75,23.75 120.45,24.05 XT2.1
Net-(U15-XOUT): length 7.6
  Top w0.2: U15.2 122.5,19.75 122,20.25 122,21.5 121.5,22 118.25,22 118.25,22 118.05,22.2 XT2.3
Net-(U16-ILIM): length 1.2
  Top w0.18: U16.5 112.56,24.2
Net-(U16-SET): length 4.4
  Top w0.18: C133.1 112.48,21.02 113,20.5
  Top w0.2: U16.7 114.25,20.75 114,20.5 113,20.5 113,20.5
Net-(U18-EN1): length 6.3
  Top w0.18: U18.11 117,69.25 117.5,69.75 R98.1 116.74,70.24 116.5,70 U18.12
  Top w0.2: R98.1 117.99,70.24 118.25,70.5 118.25,71 118.74,71.49
Net-(U18-FB1): length 4.4
  Top w0.2: U18.28 115,62.25 114.99,62.25 114.26,61.52 R109.1 114.26,58.78
Net-(U18-FB2): length 4.2
  Top w0.2: 116.5,62.84 116.5,61.5 116.26,61.26 R111.1 R110.2
Net-(U18-RT): length 3.6
  Top w0.2: U18.1 118.25,63.5 118.5,63.24 118.5,62 118.25,61.74 R103.1
Net-(U18-SS1): length 6.6
  Top w0.2: v1(115.25,61.75) 115.5,62 U18.29 ; v1(114.25,58) 114.25,57.27
  Bottom w0.2: v1(115.25,61.75) 115.19,61.81 114.55,61.81 114.25,61.51 v1(114.25,58)
Net-(U18-SS2): length 5.7
  Top w0.2: v1(116.25,58) 116.25,57.27 ; U18.30 v1(116,61.75)
  Bottom w0.2: v1(116.25,58) 116.25,61.5 v1(116,61.75)
Net-(U18-SYNC): length 3.3
  Top w0.2: R99.2 R100.1 113.5,69.75 113.75,69.5 114.25,69.5 114.5,69.25 U18.16
Net-(U18-VC1): length 3.8
  Top w0.18: U18.27 114.5,62.5 113.8,61.8 112.55,61.8 112.25,61.5 R101.2
Net-(U18-VC2): length 2.2
  Top w0.2: R102.2 117.25,61.75 117,62 U18.32
Net-(U18-VCC): length 10.6
  Top w0.18: C149.1 v1(112.5,64)
  Top w0.2: R99.1 v1(112.5,72) ; U18.25 v1(112.5,64)
  Bottom w0.2: v1(112.5,64) v1(112.5,72)
Net-(ZD1-A): length 4.4
  Top w0.2: Q5.4 145.72,66.53 146,66.25 146.25,66.25 146.55,65.95 ZD1.2 146.55,64.7 146.76,64.49 R94.1

## Copper pours and planes (outline as drawn; the poured copper is in the pictures)
0V on Top: 114.55,67.94 116.95,67.94 116.95,63.55 114.55,63.55
0V on Top: 82.75,95.5 89.75,95.5 89.75,72 82.75,72
0V on Top: 170,0 0,0 0,100 170,100 ; 5 cut-outs
0V on Top: 101.5,67.75 106.75,67.75 106.75,63.75 101.5,63.75
0V on Top: 139.5,63 145,63 145,64.5 139.5,64.5
0V on Bottom: 0,0 170,0 170,100 0,100
0V on In1.Cu: 170,0 0,0 0,100 170,100
0V on In2.Cu: 120.25,20.25 114.75,20.25 114.75,15 113,15 83.75,14.75 83.75,46 120.25,46.25
0V on In2.Cu: 141,47 170,47 170,0 141,0
0V on In2.Cu: 21.25,78.5 29.25,78.5 29.25,72.25 21.25,72.25
0V on In2.Cu: 48,100 48,83 83,83 83,100
3V3 on Top: 89.25,66.5 88,66.5 88,67 87,67 87,68.75 89.25,68.75
3V3 on In2.Cu: 0,100 0,0 170,0 170,100
3V3_PCIE on Top: 100,70.5 93,70.5 93,72.75 100,72.75
3V3_PCIE on Top: 100,70.5 93,70.5 93,72.75 91.75,72.75 91.75,97.25 100,97.25
5V0_PI on Top: 97.5,55.25 86.5,55.25 83.25,52.5 61.75,52.5 61.75,54.75 64.25,54.75 64.25,56.5 70.5,56.5 75.25,61.25 97.5,61.25
5V0_PI on In2.Cu: 95.5,44.5 108.75,44.5 113,39.5 113,30.5 116.5,30.5 117.75,29.25 117.75,26 116.25,26 114,28.25 110.25,28.25 110.25,38.5 106.75,42.25 92,42.25 92,61 95.5,61
5V0_PI on In2.Cu: 62,47.25 62,0 0,0 0,7 43,7 43,18 56,18 56,51 64,51 72,60 96,60 96,55 93,55 93,46 71.25,46 70,47.25
5V0_PI on In2.Cu: 95.5,51 115.25,51 115.25,47.5 114,46.5 112,46.5 108.75,44.5 95.5,44.5
5V0_PI on In2.Cu: 110.25,45.5 110.25,42.75 108.75,44.5
12V on Top: 143.5,75.25 146.5,75.25 148.25,73 156,73 156,70.25 148.25,70.25 145.75,73.5 143.5,73.5
/GPS/VCC_GNSS on Top: 31,16.5 41.25,16.5 41.25,13 36,13 35.5,12.5 31,12.5
/Pi CM4 - GPIO/3V3_R on Top: 86.5,67 66.75,67 63.75,64 63.75,59.5 63,59.5 63,65.25 66.75,69 86.5,69
/PLL and SFP/Frequency Synthesiser 1/1V8_PLL on Top: 115,41.8 116.8,41.8 117.4,41.2 118.4,41.2 118.4,37.4 115,37.4
/PLL and SFP/Frequency Synthesiser 1/1V8_PLL on In2.Cu: 115,40.5 117,40.5 119.75,43.25 119.75,50 134.5,50 134.5,33.5 115,33.5
/PLL and SFP/Frequency Synthesiser 1/VIN on Top: 114.5,43.75 116.25,43.75 116.25,47.75 115,47.75 115,45.25 114.5,44.75
/PLL and SFP/Frequency Synthesiser 2/1V8_PLL on Top: 115,21.8 116.8,21.8 117.4,21.2 118.4,21.2 118.4,17.4 115,17.4
/PLL and SFP/Frequency Synthesiser 2/1V8_PLL on In2.Cu: 115,20.5 117,20.5 119.75,23.25 119.75,30 134.5,30 134.5,13.5 115,13.5
/PLL and SFP/Frequency Synthesiser 2/VIN on Top: 114.5,23.75 116.25,23.75 116.25,27.75 115,27.75 115,25.25 114.5,24.75
/PLL and SFP/VDD_MUX on Top: 94.8,37.6 94.8,35.6 93.4,35.2 93.4,30.2 95.8,30.2 95.8,37.6
/Power Supplies/3V3_R on Top: 94.5,69.5 94.5,67.5 100,67.5 101.5,69 106.25,69 107.5,67.75 108.5,67.75 108.5,70.5 101.25,70.5 100.25,69.5
/Power Supplies/5V0_R on Top: 108.56,64.7 107.57,64.7 107.5,62.75 101.75,62.75 100.25,61.5 98.5,61.5 98.5,56.25 102,56.25 106.75,61 108.5,61
/Power Supplies/12V_DCDC on Top: 117.25,67.25 117.25,64.75 120.75,64.75 128.75,56.75 130.5,56.75 130.5,60.25 123.75,67.25
/Power Supplies/12V_F on Top: 143.5,70 143.5,73 146,73 146,70
/Power Supplies/12V_FILT on Top: 131.75,56.75 135.75,56.75 139.5,61 143.25,61 143.25,63 139.25,63 137,64.75 134.25,64.75 131.75,60.75
/Power Supplies/12V_PROT on Top: 141.25,65 145.25,65 145.25,68 142.5,68 142.5,66.75 142.25,66.5 141.25,66.5
/Power Supplies/SW1 on Top: 114.25,65.5 114.25,64.75 112.25,64.75 111.25,64 111.25,61.25 110,61.25 110,65.5
/Power Supplies/SW2 on Top: 114.25,67.25 113.25,67.25 111.5,70.25 109.75,70.25 109.75,66.5 114.25,66.5

## Text on the board
User.Comments: Intended cassette is Schroff 20809-529 or 20809-5xx if thicker is required | Use JLC04161H-7628 Stackup
User.Drawings: Baseboard
F.Fab: Highest number sub-connector should always be here / and the top moves depending on number of sub-connectors
F.Silkscreen: 0V | TX | RX | CLK | PPS | 3V3
